# Altium PCB 400092.PcbDoc (part 3 of 3)
Units mil, origin at the board's own origin, x right, y up, seen from the top; angles counter-clockwise.
Board outline 4000 x 2500 mil, 4 copper layers (Top Layer, Mid-Layer 1, Mid-Layer 2, Bottom Layer), stack 62.293 mil thick; 191 components, 146 nets, 886 pads, 563 vias.
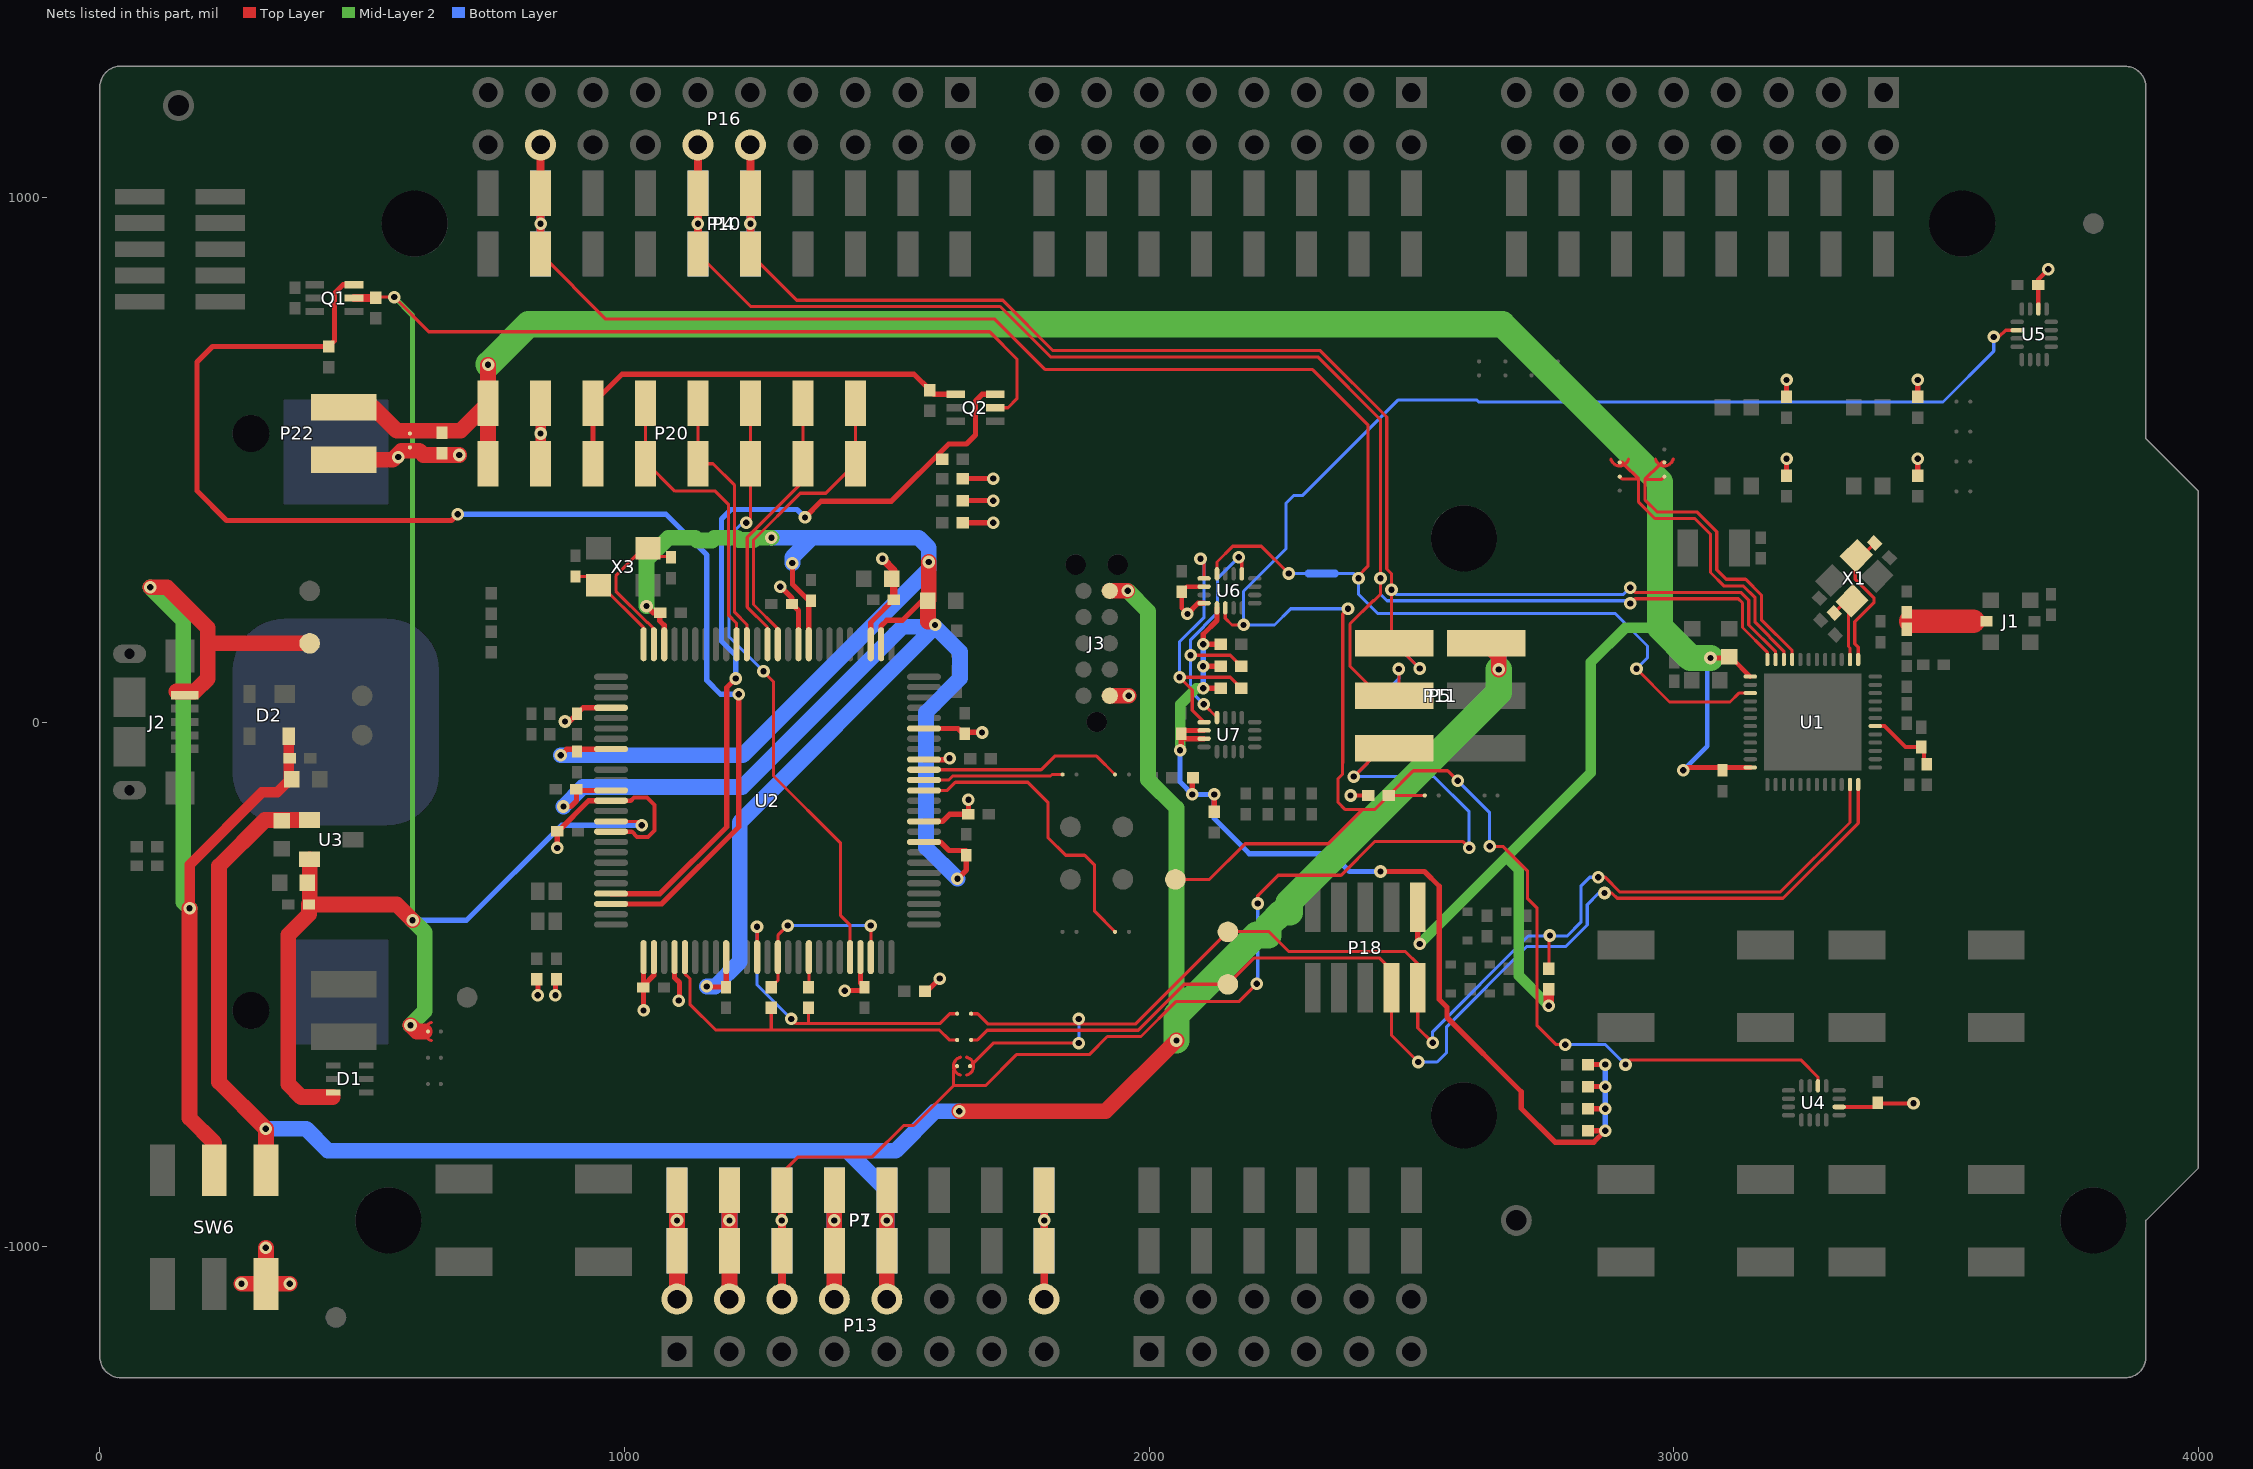
[diagram p5: the nets of this part, all layers, seen from the top]

## Via types
v1: diameter 24, hole 12, Top Layer to Bottom Layer, tented both sides, 525 vias
v2: diameter 24, hole 12, Top Layer to Bottom Layer, 22 vias
v3: diameter 25.98, hole 12.99, Top Layer to Bottom Layer, tented both sides, 16 vias

## Nets (pads, with @x,y where several pads share a name; then routed paths per layer and width w, separated by ;. In a path a pad name is that pad's centre, name@x,y a point inside that pad or via, vN(x,y) a via of type N, cw(c..) or ccw(c..) an arc to the next point about the centre after c; other vN are vias at no path point) (continued)
P0.28: P4.5 P5.1 P10.5 P11.1 P16.10 U1.47 | length 3090.1
  Top Layer w6: P4.5@1240,892.32 1328.32,804 1720.88,804 1816.88,708 2326.43,708 2453,581.43 2453,291.7 2462,282.7 v1(2462,252) P5.1@2462,155.5 ; P5.1@2467.5,150 2515.5,102 v1(2516,102) ; v1(2917,256) 2926,247 3127.97,247 3143,231.97 3143,185 3194.13,133.87 U1.47@3194.13,119.09 U1.47@3194.13,118.11
  Top Layer w15: P4.5@1240,892.32 v1(1240,950) P4.5@1240,1007.68 P16.10@1240,1100
  Bottom Layer w6: P11.1@2443.78,150 2468,150 v1(2516,102) ; v1(2462,252) 2471,243 2904,243 v1(2917,256)
  Bottom Layer w15: P10.5@1240,892.32 v1(1240,950) P10.5@1240,1007.68
P0.29: P4.6 P5.3 P10.6 P11.3 P16.12 U1.48 | length 3340.3
  Top Layer w6: P4.6@1140,892.32 1240.32,792 1715.91,792 1811.91,696 2321.46,696 2441,576.46 v1(2441,274) 2441,243.3 2428.7,231 2427,231 2383,187 2383,106 2439,50 P5.3@2467.5,50 2476,58.5 v1(2476,101) ; v1(2917,226) 2926,235 3123,235 3131,227 3131,180.03 3178.39,132.64 U1.48@3178.39,119.09 U1.48@3178.39,118.11
  Top Layer w15: P4.6@1140,892.32 v1(1140,950) P4.6@1140,1007.68 P16.12@1140,1100
  Bottom Layer w6: v1(2441,274) 2441,243.3 2453.3,231 2912,231 v1(2917,226) ; P11.3@2443.78,50 2476,82.22 v1(2476,101)
  Bottom Layer w15: P10.6@1140,892.32 v1(1140,950) P10.6@1140,1007.68
P0.30: P4.9 P10.9 P16.18 U1.3 U6.12 | length 3589.6
  Top Layer w6: P4.9@840,892.32 964.32,768 1705.97,768 1802.17,671.8 2311.72,671.8 2417,566.52 2417,296.67 2399,278.67 v1(2399,274) ; U6.12@2129.38,282.48 2129.38,305 2159.38,335 2214,335 v1(2266,283) ; v1(2929,101.25) 2992,38.25 3107.31,38.25 3124.18,55.12 U1.3@3145.91,55.12
  Top Layer w15: P4.9@840,892.32 v1(840,950) P4.9@840,1007.68 P16.18@840,1100
  Bottom Layer w6: v1(2266,283) 2304,283 ; 2354,283 2390,283 v1(2399,274) 2399,243.3 2435.3,207 2887.97,207 2950,144.97 2950,122.25 v1(2929,101.25)
  Bottom Layer w15: P10.9@840,892.32 v1(840,950) P10.9@840,1007.68 ; 2304,283 2354,283
PB5: Q2.3 R10.2 U2.97 | length 1554.5
  Top Layer w10: U2.97@974.38,-327.17 1067.83,-327.17 1195,-200 1195,66 v1(1212,83) v1@1216,87 ; v1(1344,390) 1375,421 1509,421 1618,530 1652,530 1669,547 1669,612 1681.59,624.59 Q2.3@1706.4,624.59
  Bottom Layer w10: v1(1212,83) 1212,127 1185,154 1185,387 1203,405 1329,405 v1(1344,390)
PB6: Q1.3 R11.2 U2.98 | length 2561
  Top Layer w10: R11.2@436,715.69 R11.2@436.31,716 ; Q1.3@484.4,833.59 463.59,833.59 447,817 447,726.69 R11.2@436.31,716 ; v1(682,396) 670,384 241.68,384 185,440.68 185,686 215,716 R11.2@436.31,716 ; U2.98@974.38,-346.85 1070.78,-346.85 1218,-199.63 v1(1218,53) ; v1@1221,53 v1@1221,55
  Bottom Layer w10: v1(682,396) 1079,396 1157,318 1157,79 1183,53 v1@1217,53
RESET: P1.3 P5.5 P7.3 P11.5 P13.6 SB17.1 | length 2563.1
  Top Layer w6: P1.3@1300,-892.32 1300,-860 1331,-829 1472,-829 1532,-769 1551,-769 1627,-693 ; SB17.1@1634,-656 1628.14,-661.86 1627,-663 1627,-693 ; v1(2205,-499) 2171,-533 2050.94,-533 1984.44,-599.5 1920.5,-599.5 1886,-634 1747,-634 1688,-693 1627,-693 ; v1(2207,-346) 2207,-331 2246,-292 2365.97,-292 2430.44,-227.53 2597.53,-227.53 v1(2610,-240) ; v1(2389.78,-104) 2443.78,-50 P5.5@2467.5,-50
  Top Layer w15: P13.6@1300,-1100 P1.3@1300,-1007.68 v1(1300,-950) P1.3@1300,-892.32
  Bottom Layer w6: v1(2205,-499) 2207,-497 v1(2207,-346) ; P11.5@2443.78,-50 v1(2389.78,-104) 2543,-104 2610,-171 v1(2610,-240)
  Bottom Layer w15: P7.3@1300,-1007.68 v1(1300,-950) P7.3@1300,-892.32
RF: C6.1 J1.1 L3.2 | length 119
  Top Layer w45: 3452,192 3571,192
RTS: SB24.1 U2.39 | length 579.4
  Top Layer w6: U2.39@1570.83,-130.32 1615.26,-130.32 1630.63,-114.95 1768.95,-114.95 1807,-153 1807,-220.03 1840.97,-254 1877,-254 1896,-273 1896,-361 SB24.1@1935,-400
RXD: SB23.1 U2.40 | length 268.6
  Top Layer w6: U2.40@1570.83,-110.63 1617.98,-110.63 1625.66,-102.95 1812.05,-102.95 1815,-100 SB23.1@1835,-100
SCL_EXT: R26.1 U6.9 U7.12 | length 503.8
  Top Layer w6: v1(2079,127.17) 2154.68,127.17 R26.1@2175.69,106.17 ; v1(2104,33.86) U7.12@2129.38,8.48 ; v1(2171,314) 2176.62,308.38 U6.9@2176.62,282.48
  Bottom Layer w6: v1(2104,33.86) 2103.79,33.86 2079,58.65 v1(2079,127.17) 2079,157 2130,208 2130,273 v1(2171,314)
SDA_EXT: R25.1 U6.13 U7.13 | length 509.7
  Top Layer w6: v1(2058,85.17) 2082.17,61 2082.17,22.22 U7.13@2104.77,-0.38 ; v1@2067.83,85.17 2154.68,85.17 R25.1@2175.69,64.17 ; v1(2098,311) 2104.77,304.23 U6.13@2104.77,273.62
  Bottom Layer w6: v1(2058,85.17) 2058,152.97 2104.77,199.74 2104.77,304.23 v1(2098,311)
SH_GND_DETECT: P20.8 U2.62 | length 587.5
  Top Layer w6: U2.62@1292.29,148.23 1292.29,177.71 1246,224 1246,347 1335,436 1383.68,436 P20.8@1440,492.32 P20.8@1440,607.68
SH_RESET: P20.7 U2.63 | length 519.3
  Top Layer w6: U2.63@1272.61,148.23 1272.61,180.42 1234,219.03 1234,352 1340,458 P20.7@1340,492.32 P20.7@1340,607.68
SH_SWDCLK: P20.5 U2.65 | length 514.9
  Top Layer w6: P20.5@1140,607.68 P20.5@1140,492.32 1168.68,492.32 1210,451 1210,209.09 1233.24,185.85 U2.65@1233.24,148.23
SH_SWDIO: P20.4 U2.66 | length 576.4
  Top Layer w6: P20.4@1040,607.68 1040,496 1096,440 1173,440 1198,415 1198,204.12 1213.55,188.57 U2.66@1213.55,148.23
SH_SWO: P20.6 U2.21 | length 1183.2
  Top Layer w6: v1(1232,380) 1240,388 P20.6@1240,492.32 P20.6@1240,607.68 P20.6@1246,601.68 ; v1(1265,97) 1265,96 1284,77 1284,-103.03 1412,-231.03 1412,-369 1430.09,-387.09 U2.21@1430.09,-448.23
  Bottom Layer w6: v1@1234,380 v1(1232,380) 1225,380 1199,354 1199,163 v1(1265,97)
SH_VTG: P20.3 Q2.4 R9.1 | length 961.1
  Top Layer w6: P20.3@940,492.32 P20.3@940,607.68
  Top Layer w10: P20.3@940,492.32 P20.3@940,607.68 995.32,663 1551.69,663 R9.1@1582,632.69 1590.09,624.59 Q2.4@1631.6,624.59
SHIELD_DETECT: R33.1 SB19.2 TP14.1 U4.2 U5.2 U6.2 | length 4351
  Top Layer w6: TP14.1@2050,-300 2115.12,-300 2183.12,-232 2341.12,-232 2406.12,-167 ; U6.2@2145.13,217.52 2145.13,197.87 2158,185 v1(2180,185) ; v1(2379,216) 2369,206 2369,-78 2368.78,-78.22 2368.78,-99.22 2360,-108 2360,-153 2374,-167 2406.12,-167 ; SB19.2@2525.4,-140 R33.1@2456.69,-140 ; v1(2588,-112) 2569,-93 2503.69,-93 R33.1@2456.69,-140 ; v1(2649,-237) 2674.37,-237 2721,-283.63 2721,-335.97 2739,-353.97 2739,-577.92 2776.08,-615 v1(2793,-615) ; v1(2908,-653) 2917,-644 3242.05,-644 3274.87,-676.82 U4.2@3274.87,-693.46 ; v1(3610,734) 3619.7,734 3632.57,746.87 U5.2@3654.52,746.87 ; 2406.12,-167 2429.69,-167 R33.1@2456.69,-140
  Bottom Layer w6: v1(2180,185) 2239,185 2270,216 v1(2379,216) ; v1@2180,194 2180,249 2261,330 2261,416.97 2276.03,432 2293.06,432 2475.06,614 2624,614 2628,610 3513.12,610 3610,706.88 v1(3610,734) ; v1(2588,-112) 2649,-173 v1(2649,-237) ; v1(2793,-615) 2870,-615 v1(2908,-653)
SWCLK: P18.4 SB21.2 TP10.1 U1.24 | length 2232.8
  Top Layer w6: SB21.2@1660.6,-606 1673,-606 1691.5,-587.5 1979.47,-587.5 2066.97,-500 TP10.1@2150,-500 2200.47,-449.53 2438.53,-449.53 2462,-473 P18.4@2462,-506.6 2462,-597 v1(2513,-648) ; v1(2868,-326) 2882.16,-326 2892.16,-336 3208.28,-336 3351.61,-192.66 U1.24@3351.61,-119.09
  Bottom Layer w6: v1(2513,-648) 2549,-648 2567,-630 2567,-580.79 2719.79,-428 2794,-428 2835,-387 2835,-348 2857,-326 v1(2868,-326)
SWDIO/NRF_RESET: P18.2 R40.1 SB17.2 SB20.2 TP9.1 U1.23 | length 2574.3
  Top Layer w6: SB17.2@1658.6,-656 1664.46,-650.14 1702.6,-612 v1(1866,-612) ; SB20.2@1660.6,-556 1673,-556 1692.5,-575.5 1974.5,-575.5 TP9.1@2150,-400 2151,-399 2227.6,-399 2266.13,-437.53 2488.53,-437.53 2512,-461 P18.2@2512,-506.6 2512,-583.18 v1(2540.41,-611.59) ; R40.1@2762,-470.31 2762,-409 v1(2764,-407) ; v1(2856,-296) 2869.13,-296 2897.13,-324 3203.31,-324 3335.87,-191.44 U1.23@3335.87,-119.09
  Bottom Layer w6: v1(1866,-612) v1(1866,-566) ; v1(2540.41,-611.59) 2540.41,-590.41 2722.82,-408 2797.03,-408 2823,-382.03 2823,-312.94 2839.94,-296 v1(2856,-296)
TCKIN: R16.2 SB21.1 U2.5 | length 673.6
  Top Layer w6: U2.5@1115.13,-448.23 1115.13,-479.52 1124.61,-489 1124.61,-538 1173.61,-587 1279.61,-587 ; R16.2@1279.61,-544.69 1279.61,-587 ; SB21.1@1634,-606 1619,-606 1600,-587 1279.61,-587
TCKOUT: R16.1 U2.14 U2.23 | length 349.2
  Top Layer w6: R16.1@1279.61,-505.32 1292.29,-492.63 U2.14@1292.29,-448.23 1292.29,-406.71 v1(1311,-388) ; U2.23@1469.46,-448.23 1469.61,-448.08 v1(1469.61,-388)
  Bottom Layer w6: v1(1311,-388) v1(1469.61,-388)
TMSIN: R15.2 SB20.1 U2.12 | length 617.9
  Top Layer w6: v1(1252.61,-390) 1252.92,-390.32 U2.12@1252.92,-448.23 ; v1(1317.61,-566) 1326.61,-575 1511,-575 1601,-575 1620,-556 SB20.1@1634,-556 ; 1350.61,-573.27 R15.2@1350.61,-544.69
  Bottom Layer w6: v1(1252.61,-390) 1252.61,-501 v1(1317.61,-566)
TMSOUT: R15.1 U2.17 | length 56.3
  Top Layer w6: R15.1@1351.35,-504.58 U2.17@1351.35,-448.23
TXD: SB25.1 U2.41 | length 389.4
  Top Layer w6: U2.41@1570.83,-90.95 1794.05,-90.95 1820,-65 1900,-65 SB25.1@1935,-100
USB_DETECT: C17.2 C18.2 D1.6 Q1.2 Q2.2 R7.1 SB10.2 U2.90 U3.2 | length 4216.2
  Top Layer w6: R7.1@526,808.69 527.32,810 v1(561,810) 627,744 1696.03,744 1748,692.03 1748,616 1731,599 Q2.2@1706.4,599 ; U2.90@974.38,-189.37 1025.37,-189.37 v1(1033,-197)
  Top Layer w15: Q1.2@484.4,808 R7.1@525.32,808
  Top Layer w30: U3.2@400,-261.8 400,-346.68 C18.2@398.68,-348 ; 444,-715 384,-715 359,-690 359,-406 398.68,-366.32 C18.2@398.68,-348 ; v1(592,-578) 604,-590 619,-590 ; v1(596,-378) 566,-348 C18.2@398.68,-348
  Mid-Layer 2 w10: v1(561,810) 596,775 v1(596,-378)
  Mid-Layer 2 w30: v1(592,-578) 619,-551 619,-401 v1(596,-378)
  Bottom Layer w10: v1(596,-378) 699,-378 880,-197 v1(1033,-197)
V5V: C16.2 J3.5 P1.5 P5.2 P7.5 P11.2 P13.10 SW6.6 U3.1 | length 5073.2
  Top Layer w30: SW6.6@316.43,-854.73 v1(316.43,-775.43) 227,-686 227,-274.43 314.43,-187 U3.1@400,-187 ; P13.10@1500,-1100 P1.5@1500,-1007.68 v1(1500,-950) P1.5@1500,-892.32 ; v1(1638,-742) 1917,-742 v1(2052,-607) ; J3.5@1925,250 v1@1958,250 ; P5.2@2642.5,150 2666.22,126.28 v1(2666.22,100.22)
  Mid-Layer 2 w30: v1(1959,250) 1998,211 1998,-110 2052,-164 2052,-558
  Mid-Layer 2 w50: v1(2052,-607) 2052,-558 2205.09,-404.91 2207.19,-407 2227,-407 2227,-388.19 2252.19,-363 2268,-363 2268,-346.19 2265.91,-344.09 2666.22,56.22 v1(2666.22,100.22)
  Bottom Layer w30: v1(316.43,-775.43) 393.43,-775.43 435,-817 1424.68,-817 ; P7.5@1500,-1007.68 v1(1500,-950) P7.5@1500,-892.32 1424.68,-817 ; v1(1638,-742) 1592,-742 1517,-817 1424.68,-817 ; v1(2666.22,100.22) P11.2@2666.22,150
VBUS: C20.2 C21.2 D2.4 J2.1 SW6.5 TP3.1 | length 2087.9
  Top Layer w20: v1(171,-355) 171,-272 309,-134 338,-134 360.01,-111.99 D2.4@360.01,-27.35
  Top Layer w30: v1(96,257) 128,257 205.61,179.39 205.61,150 ; J2.1@146,58 181,58 205.61,82.61 205.61,150 ; v1(171,-355) 171,-755 218,-802 SW6.5@218,-854.73 ; TP3.1@400,150 205.61,150
  Mid-Layer 2 w30: v1(96,257) 159,194 159,-343 v1(171,-355)
VCORE: C25.2 C27.2 C31.2 C34.2 C36.1 C39.2 C40.2 U2.9 U2.34 U2.52 U2.59 U2.73 U2.83 U2.87 | length 4862.3
  Top Layer w10: v1(878.61,-63.47) 890.08,-52 U2.83@973.95,-52 ; v1(883.61,-161) 897.71,-161 908.29,-150.42 C40.2@908.29,-128 ; C40.2@914.96,-130.32 U2.87@974.38,-130.32 ; v1(1042,221) 1055,208 C36.1@1066.96,208 ; C36.1@1067.92,208 C36.1@1066.96,208 ; U2.73@1075.76,148.23 1075.76,184.24 1066.96,193.04 C36.1@1066.96,208 ; v1(1157,-504) 1158.31,-505.32 C25.2@1193.61,-505.32 ; C25.2@1193.87,-504.33 U2.9@1193.87,-448.23 ; v1(1320,303) 1320,262.64 1340,242.64 C34.2@1353.46,229.17 ; U2.59@1351.35,148.23 1351.35,227.05 C34.2@1353.46,229.17 ; C34.2@1355.61,231.31 C34.2@1353.46,229.17 ; U2.52@1489.14,148.23 1489.14,183.11 1500.03,194 1530,194 1567,231 C31.2@1578.42,231 ; U2.34@1570.83,-228.74 1602.35,-228.74 1618.61,-245 C27.2@1649.94,-245 ; v1(1634.61,-299) 1651.61,-282 C27.2@1651.61,-253.69 ; C27.2@1650.92,-251.32 C27.2@1650.92,-245
  Top Layer w30: 1578.42,191.42 C31.2@1578.42,231 1580,232.58 v1(1580,305)
  Mid-Layer 2 w30: v1(1042,221) 1042,309 1084,351 1134.33,351 1139.33,346 1166.67,346 1171.67,351 1214.33,351 1218.33,347 1245.67,347 1249.67,351 v1(1280,351)
  Bottom Layer w30: v1(878.61,-63.47) 1225.53,-63.47 1580,291 v1(1580,305) 1580,332 1561,351 1357,351 ; v1(883.61,-161) 920.61,-124 1224.61,-124 1530,181.39 v1@1592,181.39 ; v1(1157,-504) 1172.61,-504 1219.61,-457 1219.61,-191 v1@1592,181.39 ; v1(1280,351) 1357,351 ; v1(1320,303) 1320,314 1357,351 ; v1(1634.61,-299) 1574.61,-239 1574.61,18.16 1639.61,83.16 1639.61,133.79 v1@1592,181.39
  other v1: 1592,185
VDD: C24.2 C26.2 C28.2 C29.2 C32.2 C33.2 C35.2 C38.2 C41.2 C42.2 C43.2 C44.2 J3.1 P1.1 P1.2 P1.4 P7.1 P7.2 P7.4 P13.2 P13.4 P13.8 P20.2 P22.2 R1.2 R2.2 R3.2 R4.2 R5.2 R6.1 R19.2 R20.2 R21.2 R22.2 R23.2 R33.2 SB9.2 SW6.3 U2.1 U2.2 U2.4 U2.22 U2.36 U2.42 U2.45 U2.53 U2.60 U2.79 U2.88 U2.91 U4.14 U5.14 U6.14 U6.16 | length 3816.4
  Top Layer w6: P20.2@840,479 P20.2@840,492.32 ; U2.88@974.38,-150 U2.88@981,-150
  Top Layer w8: U2.91@974.38,-209.06 1013.94,-209.06 1023.89,-219 1045,-219 1057,-207 1057,-158 1043,-144 1018,-144 1012,-150 U2.88@981,-150 ; v1(2073,206) 2062,217 C44.2@2062,248.31 2071.56,257.87 U6.14@2104.77,257.87 ; v1(2384,-140) R33.2@2417.31,-140 ; U4.14@3315.23,-733.82 3380.81,-733.82 3387.68,-726.94 v1(3457,-726.94) ; C43.2@3694.69,833 3694.69,843.69 v1(3714,863) ; U5.14@3694.87,787.23 3694.87,832.81 C43.2@3695.06,833
  Top Layer w10: v1@834.87,-520 R20.2@834.87,-490.69 ; v1@868.34,-521 R19.2@868.34,-490.69 ; v1@871.92,-240 C41.2@871.92,-208 ; C41.2@874.92,-206.69 931.61,-150 U2.88@974.38,-150 ; v1@885.61,1 v1(886.61,1) 894.92,1 C38.2@909.61,15.68 ; C38.2@909.92,16 921.09,27.16 U2.79@974.38,27.16 ; v1(1036.39,-549.78) U2.1@1036.39,-448.23 ; C24.2@1036.61,-502 1056.07,-482.54 U2.2@1056.07,-448.23 ; U2.4@1095.44,-448.23 1095.44,-487.39 1104.61,-496.55 v1@1104.61,-531 ; v1(1297,258) 1297.61,258 1319.29,236.31 C35.2@1319.29,225 1331.66,212.63 U2.60@1331.66,148.23 ; v1(1420,-512) 1450.92,-512 C26.2@1457.61,-505.32 1449.77,-497.48 U2.22@1449.77,-448.23 ; U2.53@1469.46,148.23 1469.46,189.85 1479.8,200.2 1509.18,229.57 C32.2@1509.18,233 ; U2.36@1570.83,-189.37 1606.24,-189.37 1619.61,-176 C28.2@1654.92,-176 1655.61,-175.32 v1(1655.61,-148) ; U2.42@1570.83,-71.26 1571.57,-72 v1@1619.61,-72 ; U2.45@1570.83,-12.21 1635.81,-12.21 1643.29,-19.69 v1@1686.29,-19.69 ; R5.2@1572.69,-513 1577,-513 v1(1601,-489) ; R21.2@1644.68,380 v1(1702.68,380) ; R22.2@1644.68,422 v1(1702.68,422) ; R23.2@1644.68,464 v1(1702.68,464) ; v1(2073,206) 2093.38,226.38 U6.16@2104.77,226.38 ; R3.2@3215,469.68 v1(3215,502) ; R1.2@3215,619.68 v1(3215,652) ; R4.2@3465,469.68 v1(3465,502) ; R2.2@3465,619.68 v1(3465,652)
  Top Layer w15: v1(1400,-950) P1.4@1400,-892.32 ; v1(1491.61,311) 1513.29,289.31 C32.2@1513.29,233
  Top Layer w20: P20.2@840,492.32 P20.2@840,607.68
  Top Layer w30: v1(270,-1070.54) v1(362,-1070.54) ; SW6.3@316.42,-1073.25 v1(316.42,-1001.98) ; P22.2@465,500 558,500 575,517 609,517 617,509 v1(685,509) ; P13.2@1100,-1100 P1.1@1100,-1007.68 P1.1@1100,-892.32 ; P13.4@1200,-1100 v1(1200,-950) P1.2@1200,-892.32 ; P13.8@1400,-1100 P1.4@1400,-892.32 ; J3.1@1925,50 v1(1961,50)
  Bottom Layer w30: P7.1@1100,-1007.68 P7.1@1100,-892.32 ; P7.2@1200,-1007.68 P7.2@1200,-892.32 ; P7.4@1400,-1007.68 P7.4@1400,-892.32
  other v1: 1100,-950 1103.61,-531 834.87,-520.69 868.34,-520.69 871.61,-240 1619.61,-69 1681.61,-20 569,505 840,550
VDD_NRF: C7.1 C11.1 P18.1 P20.1 P22.1 R6.2 R40.2 SB9.1 U1.1 U1.12 | length 4998.4
  Top Layer w9: v1(3018,-92) 3023.39,-86.61 U1.12@3145.91,-86.61 U1.12@3146.89,-86.61 ; v1(3070,122) 3110.52,122 U1.1@3145.91,86.61
  Top Layer w10: P18.1@2512,-353.06 2512,-419 v1(2516,-423)
  Top Layer w20: v1(2762,-541) R40.2@2762,-509.68
  Top Layer w30: P22.1@465,600 521,600 566,555 687.32,555 P20.1@740,607.68 ; P20.1@740,492.32 P20.1@740,607.68 ; v1(740,681) P20.1@740,607.68
  Mid-Layer 2 w20: v1(2516,-423) 2681,-258 ; v1(2762,-541) 2705,-484 2705,-282 2681,-258 ; 2974,180 2908,180 2842,114 2842,-97 2681,-258
  Mid-Layer 2 w50: v1@741,682 817,758 2673,758 2974,457 2974,180 3032,122 v1(3070,122)
  Bottom Layer w9: v1(3018,-92) 3064,-46 3064,116 v1(3070,122)
VDD_PA: C3.1 L2.1 U1.30 | length 140.1
  Top Layer w8: U1.30@3383.11,-7.87 3401.8,-7.87 3441.63,-47.7 L2.1@3472,-47.7 3477,-52.7 C3.1@3477,-80.31
VEXT: C45.2 R25.2 R26.2 R27.2 R28.2 R29.2 R30.2 R31.2 R32.2 R34.2 U6.1 U7.14 U7.15 | length 2205.4
  Top Layer w10: v1(2059,-54) 2061,-52 C45.2@2061,-22.69 ; v1(2082,-138) 2082,-107.69 R34.2@2083.69,-106 ; v1(2102.86,106.17) R26.2@2136,106.17 ; v1(2103.17,64.17) R25.2@2136,64.17 ; U7.15@2104.77,-31.87 2070.19,-31.87 C45.2@2061,-22.69 ; U7.14@2104.77,-16.13 2067.56,-16.13 C45.2@2061,-22.69 ; R28.2@2124,-170.83 v1(2124,-138) ; U6.1@2129.38,217.52 2129.38,193.38 2103.17,167.17 v1(2103.17,148.17) R27.2@2136,148.17 ; v1(2441,-285) 2525,-285 2553,-313 2553,-528.83 2567.79,-543.62 2567.79,-563.04 2709.42,-704.67 2709.42,-736.42 2773.83,-800.83 2847.47,-800.83 v1(2869.3,-779) R32.2@2836.47,-779 ; R31.2@2836.47,-737 v1(2869.3,-737) ; R30.2@2836.47,-695 v1(2869.62,-695) ; R29.2@2836.47,-653 v1(2869.3,-653)
  Mid-Layer 2 w20: v1(2059,-54) 2059,33.39 2089.78,64.17 v1(2103.17,64.17)
  Bottom Layer w10: v1(2059,-54) 2059,-114 2083,-138 v1(2124,-138) 2124,-184 2191,-251 2348,-251 2382,-285 v1(2441,-285) ; v1@2103.17,62.66 v1(2103.17,64.17) v1(2103.17,148.17) ; v1(2869.3,-779) v1(2869.3,-737) v1(2869.3,-653)
VIN: P1.8 P7.8 P13.16 | length 323
  Top Layer w15: P13.16@1800,-1100 P1.8@1800,-1007.68 v1(1800,-950) P1.8@1800,-892.32
  Bottom Layer w15: P7.8@1800,-1007.68 v1(1800,-950) P7.8@1800,-892.32
XC1: C1.1 U1.37 X1.1 | length 270.1
  Top Layer w6: U1.37@3351.61,119.09 3351.61,142.36 3345.12,148.85 3345.12,191.12 3382,228 3382,236 3346,272 3346,303.84 C1.1@3383.08,340.92
XC2: C2.1 U1.38 X1.3 | length 157.4
  Top Layer w6: C2.1@3305.92,208.08 3326.84,229 3335.87,229 X1.3@3335.87,226.89 ; U1.38@3335.87,118.11 U1.38@3335.87,119.09 3335.87,141.13 3333.12,143.88 3333.12,224.14 X1.3@3335.87,226.89 ; X1.3@3339.82,230.85 X1.3@3335.87,226.89
XIN: C22.1 U2.75 X3.3 | length 201.7
  Top Layer w6: C22.1@906.61,277.31 934.34,277.31 X3.3@950.6,261.06 ; X3.3@950.6,260.94 955.28,260.94 1036.39,179.84 U2.75@1036.39,148.23
XL1: SB2.2 SB4.1 U1.46 | length 613
  Top Layer w6: SB2.2@2897,467.6 2901.09,463.51 2933,463.51 ; SB4.1@2897,495 2901.51,495 2905.93,490.58 2933,463.51 ; U1.46@3209.88,118.11 3209.88,135.09 3155,189.97 3155,236.94 3132.94,259 3096.03,259 3070,285.03 3070,358 3040,388 2964.03,388 2933,419.03 2933,463.51
XL2: SB1.2 SB3.1 U1.45 | length 616.4
  Top Layer w6: SB1.2@2982,467.6 2976.91,462.51 2945,462.51 ; SB3.1@2982,495 2977.49,495 2973.07,490.58 2945,462.51 ; U1.45@3225.63,118.11 3225.63,136.31 3167,194.94 3167,242 3137,272 3100,272 3082,290 3082,362.97 3044.97,400 2969,400 2945,424 2945,462.51
XOUT: C23.1 U2.74 X3.1 | length 294
  Top Layer w6: U2.74@1056.07,148.23 1056.07,177.93 1050,184 1044.29,189.71 1043.48,189.71 983.61,249.59 983.61,278.61 1036.06,331.06 X3.1@1044.61,331.06 1059.99,315.68 C23.1@1088.61,315.68
pads on no net: Bat1.2@449.91,0 Fid1.0 Fid2.0 J2.4 J2.6@56.53,129.92 J2.6@56.53,-129.92 J3.0 J3.7 J3.9 P18.6 P18.7 P18.8 P18.10 P19.7 P19.8 P21.0 P22.0 SW6.1 SW6.4 U2.6 U2.8 U2.10 U2.11 U2.13 U2.15 U2.16 U2.19 U2.20 U2.25 U2.26 U2.27 U2.28 U2.29 U2.30 U2.31 U2.32 U2.33 U2.37 U2.44 U2.48 U2.49 U2.50 U2.58 U2.64 U2.69 U2.86 U2.93 U2.94 U2.95 U2.96 U2.99 U2.100 U4.10 U5.10 U6.3 U6.7 U6.10 U6.11 U6.15

## Polygon pours and split planes (outlines as drawn)
GND on Top Layer "Top_Layer-GND" (solid, remove dead copper, pour order 8): -140.68,-1343.3 -140.68,1377.41 -132.15,1393.23 4042.07,1393.23 4052.73,1413 4052.73,-1335.39 4057,-1343.3
GND on Mid-Layer 1 "Mid_Layer_1-GND" (solid, remove dead copper, pour order 7): -138.74,-1346.53 -138.74,1329.99 -129.94,1345.55 4177.59,1345.55 4188.6,1365 4188.6,-1338.75 4193,-1346.53
GND on Bottom Layer "Bottom_Layer-GND" (solid, remove dead copper, pour order 6): -410.29,-1353.14 -410.29,1437.49 -400.99,1453.72 4149.72,1453.72 4161.35,1474 4161.35,-1345.03 4166,-1353.14
VDD on Mid-Layer 2 "Mid_Layer_2-VDD" (solid, remove dead copper, pour order 10): -104.87,-1391.63 -104.87,1369.88 -96.26,1385.93 4116.93,1385.93 4127.69,1406 4127.69,-1383.6 4132,-1391.63

## Keep-outs
Keep-Out Layer:
  circle w6: c550,-950 r94.49
  circle w6: c3800,-950 r94.49
  circle w6: c3550,950 r94.49
  circle w6: c2600,350 r94.49
  circle w6: c600,950 r94.49
  circle w6: c2600,-750 r94.49
  lines w10: 3861,-1250 ccw(c3860.5,-1210.5) 3900,-1210 3900,-950 4000,-850 4000,440 3900,540 3900,1210 ccw(c3860,1210) 3860,1250 40,1250 ccw(c39.5,1210.5) 0,1211 0,-1210 ccw(c40,-1210) 40,-1250 3862,-1250
Mechanical 3:
  lines w1: 190,-41 411.61,-41 428.78,-58.17 527.44,-58.17 ccw(c527.44,-14.72) 558.16,-45.44 703.61,100 cw(c741.44,62.17) 741.44,115.67 764.61,115.67 ; 190,83.96 292.5,83.96 ; 390,83.96 467.04,83.96 ccw(c467.04,106.96) 483.3,90.7 634.85,242.25 cw(c686.61,190.5) 686.61,263.69 ; 686.61,264 927.61,264 cw(c927.61,215.72) 961.75,249.86 1059.68,151.93 ; 764.11,115.67 cw(c764.11,67.39) 798.25,101.53 896.18,3.6 ; 997.8,2.54 ccw(c997.8,90.04) 1059.67,151.92

## Other copper
Top Layer:
  rectangle net ANT: 3937,-518 3987,-488
  pour cut-out: -9.02,-125 97.11,-125 96.89,139 -8.99,139
  pour cut-out: 342,-519 430,-519 430,-689 342,-689
  pour cut-out: 372,69 460,69 460,2 372,2
  pour cut-out: -21,-124 67,-124 67,-294 -21,-294
  pour cut-out: 3508,-107 3406,-107 3406,150 3508,150
  pour cut-out: 3363.02,-100 3167,-100 3167,98 3362.97,98
  pour cut-out: 3318.58,181.42 3291.97,154.82 3270.05,176.74 3296.66,203.35
  pour cut-out: 3464,123 3390,123 3390,186 3464,186
  pour cut-out: 3739.97,-1300 4010.28,-1300 4008.77,538 3740.14,538
Mid-Layer 1:
  pour cut-out: 3745,127 3421,127 3421,257 3745,257
  pour cut-out: 3508,-107 3406,-107 3406,213.6 3508,213.6
  pour cut-out: 3739.97,-1300 4010.28,-1300 4008.77,538 3740.14,538
Mid-Layer 2:
  pour cut-out: 3745,127 3421,127 3421,257 3745,257
  pour cut-out: 3508,-107 3406,-107 3406,213.6 3508,213.6
  pour cut-out: 3739.97,-1300 4010.28,-1300 4008.77,538 3740.14,538
Bottom Layer:
  pour cut-out: 3739.97,-1300 4010.28,-1300 4008.77,538 3740.14,538

## Silkscreen, mask and mechanical layers (free items; w line width, h text height)
Top Overlay:
  circle w15: c1710,875 r7.07
  circle w15: c2570,875 r7.07
  circle w15: c3470,875 r7.07
  circle w15: c1030,-875 r7.07
  circle w15: c1930,-875 r7.07
  region: 1992.14,617.25 1992.14,560.31 2013.49,588.78
  lines w6: 2960.97,-256 3545.05,-256 3545.05,390 2960.97,390 2960.97,-256
  lines w8: 1980,521.4 ccw(c1988,521.4) 1988,513.4 2280,513.4 ccw(c2280,521.4) 2288,521.4 ; 1980,521.49 1980,655.7 ; 1980,656.4 cw(c1988,656.4) 1988,664.4 2280,664.4 cw(c2280,656.4) 2288,656.4 ; 2288,521.49 2288,655.7
  lines w10: 420,1150 3730,1150 ; 560,1200 670,1200 ; 660,1200 640,1210 640,1190 670,1200 ; 780,-1150 2830,-1150 ; 920,-1200 1030,-1200 ; 1020,-1200 1000,-1190 1000,-1210 1030,-1200 ; 2580,-1200 2600,-1210 2600,-1190 2570,-1200 ; 2680,-1200 2570,-1200 ; 3480,1200 3500,1190 3500,1210 3470,1200 ; 3580,1200 3470,1200 ; 670,1200 640,1180 640,1220 670,1200 ; 1030,-1200 1000,-1220 1000,-1180 1030,-1200 ; 2570,-1200 2600,-1220 2600,-1180 2570,-1200 ; 3470,1200 3500,1220 3500,1180 3470,1200
  lines w11: 1997.68,641.23 2037.18,588.56 1997.88,536.16 ; 2026.03,536.25 2058.84,578.9 2269.1,578.9 ; 2026.34,641.16 2058.85,598.9 2269.1,598.9
  text "GND" at 420,1180 h70
  text "GND" at 3610,1180 h70
  text "GND" at 97,1080 h70
  text "0202RUBR" at 3877,716 h27 r90
  text "P0.07" at 760,714 h70 r90
  text "P0.30" at 860,714 h70 r90
  text "P0.00" at 960,714 h70 r90
  text "GND" at 1060,714 h70 r90
  text "P0.29" at 1160,714 h70 r90
  text "P0.28" at 1260,714 h70 r90
  text "P0.25" at 1360,714 h70 r90
  text "P0.24" at 1460,714 h70 r90
  text "P0.23" at 1560,714 h70 r90
  text "P0.20" at 1660,714 h70 r90
  text "P0.19" at 1820,714 h70 r90
  text "P0.18" at 1920,714 h70 r90
  text "P0.17" at 2020,714 h70 r90
  text "P0.16" at 2120,714 h70 r90
  text "P0.15" at 2220,714 h70 r90
  text "P0.14" at 2320,714 h70 r90
  text "P0.13" at 2420,714 h70 r90
  text "P0.11" at 2720,714 h70 r90
  text "P0.10" at 2820,714 h70 r90
  text "P0.09" at 2920,714 h70 r90
  text "P0.08" at 3020,714 h70 r90
  text "P0.27" at 3120,714 h70 r90
  text "P0.26" at 3220,714 h70 r90
  text "P0.22" at 3320,714 h70 r90
  text "P0.21" at 3420,714 h70 r90
  text "400092" at 3834,714 h80 r90
  text "Debug out" at 16,709 h80
  text "S" at 2064.1,530 h53
  text "E" at 2099.13,530 h53
  text "G" at 2130,530 h53
  text "G" at 2169,530 h53
  text "E" at 2209.3,530 h53
  text "R" at 2242.2,530 h53
  text "GPIO" at 2738,485 h70
  text "TM" at 2055.7,473.4 h37
  text "J-Link" at 1919.1,456.8 h57
  text "Technology" at 2106.2,456.8 h57
  text "XTAL" at 2734,428 h70
  text "www.segger.com" at 1922.3,411.5 h66
  text "nRF current" at 143,389 h80
  text "VTG" at 957,366.98 h55 r90
  text "VDD" at 857,364.46 h55 r90
  text "SWO" at 1257,354.53 h55 r90
  text "SWD / IO" at 1082.65,353.02 h55 r90
  text "SWD / CLK" at 1182.65,353.02 h55 r90
  text "(ARDUINO D0) P0.12" at 2520,353.88 h70 r90
  text "VnRF" at 752.99,344.59 h55 r90
  text "measurement" at 124,338 h80
  text "RESET" at 1357,317.98 h55 r90
  text "GND / DETECT" at 1505,304.57 h55 r90
  text "P0.28" at 2257.25,129.25 h70
  text "5V" at 2731.7,129.25 h70
  text "P0.29" at 2257.37,29.25 h70
  text "P0.25" at 2731.7,29.25 h70
  text "RESET" at 2220,-70.75 h70
  text "DETECT" at 2731.7,-70.75 h70
  text "NORDIC" at 3844.08,-279.33 h150 r90
  text "SEMICONDUCTOR" at 3902.77,-282.72 h65 r90
  text "Button 1" at 2916,-365.94 h90
  text "Button 2" at 3356,-365.94 h90
  text "External supply" at 91,-435 h80
  text "www.nordicsemi.com" at 3982,-475 h83 r90
  text "-" at 542,-531 h70
  text "Debug in" at 2291,-619.6 h80
  text "+" at 542,-631 h70
  text "IF BOOT/RESET" at 601,-807 h80
  text "Button 3" at 2916,-812.94 h90
  text "Button 4" at 3356,-812.94 h90
  text "VDD" at 1116.75,-838.13 h70 r90
  text "VDD" at 1216.75,-838.13 h70 r90
  text "RESET" at 1316.75,-838.13 h70 r90
  text "VDD" at 1416.75,-838.13 h70 r90
  text "5V" at 1516.75,-838.13 h70 r90
  text "GND" at 1616.75,-838.13 h70 r90
  text "GND" at 1716.75,-838.13 h70 r90
  text "N.C." at 1816.75,-838.13 h70 r90
  text "P0.01" at 2016.75,-838.13 h70 r90
  text "P0.02" at 2116.75,-838.13 h70 r90
  text "P0.03" at 2216.75,-838.13 h70 r90
  text "P0.04" at 2316.75,-838.13 h70 r90
  text "P0.05" at 2416.75,-838.13 h70 r90
  text "P0.06" at 2516.75,-838.13 h70 r90
  text "GND" at 2647,-1045 h70
  text "OFF" at 115,-1176 h70
  text "ON" at 250,-1176 h70
  text "GND" at 780,-1220 h70
  text "GND" at 2710,-1220 h70
  text "Power" at 132,-1230 h80
Bottom Overlay:
  drawing of 11622 lines, arcs and shapes, not listed
  text "Pb" at 161.4,965.6 h120 r90
  text "P0.07 (SCL)" at 760,841 h70 r90
  text "P0.30 (SDA)" at 860,841 h70 r90
  text "P0.00 (AREF)" at 960,841 h70 r90
  text "GND" at 1060,841 h70 r90
  text "P0.29 (13)" at 1160,841 h70 r90
  text "P0.28 (12)" at 1260,841 h70 r90
  text "P0.25 (11)" at 1360,841 h70 r90
  text "P0.24 (10)" at 1460,841 h70 r90
  text "P0.23 (9)" at 1560,841 h70 r90
  text "P0.20 (8)" at 1660,841 h70 r90
  text "P0.19 (7)" at 1820,841 h70 r90
  text "P0.18 (6)" at 1920,841 h70 r90
  text "P0.17 (5)" at 2020,841 h70 r90
  text "P0.16 (4)" at 2120,841 h70 r90
  text "P0.15 (3)" at 2220,841 h70 r90
  text "P0.14 (2)" at 2320,841 h70 r90
  text "P0.13 (1)" at 2420,841 h70 r90
  text "P0.12 (ARDUINO D0)" at 2520,841 h70 r90
  text "P0.11" at 2720,841 h70 r90
  text "P0.10" at 2820,841 h70 r90
  text "P0.09" at 2920,841 h70 r90
  text "P0.08" at 3020,841 h70 r90
  text "P0.27" at 3120,841 h70 r90
  text "P0.26" at 3220,841 h70 r90
  text "P0.22" at 3320,841 h70 r90
  text "P0.21" at 3419,839.68 h70 r90
  text "SWDIO/nRESET" at 2283,561 h75 r90
  text "GPIO" at 1083,555.87 h78.5 r90
  text "GPIO" at 2851,555.87 h78.5 r90
  text "P0.08" at 1181,551 h75 r90
  text "P0.09" at 1287,551 h75 r90
  text "P0.10" at 1393,551 h75 r90
  text "P0.11" at 1499,551 h75 r90
  text "P0.26" at 1658,551 h75 r90
  text "P0.27" at 1870,551 h75 r90
  text "P0.17" at 2949,551 h75 r90
  text "P0.18" at 3055,551 h75 r90
  text "P0.19" at 3161,551 h75 r90
  text "P0.20" at 3267,551 h75 r90
  text "P0.21" at 3373,551 h75 r90
  text "P0.22" at 3479,551 h75 r90
  text "P0.23" at 3585,551 h75 r90
  text "P0.24" at 3691,551 h75 r90
  text "nRF Pin" at 2183,435.87 h78.5 r90
  text "Function" at 1083,340.51 h78.5 r90
  text "Function" at 2851,340.51 h78.5 r90
  text "Button 1" at 2949,328 h75 r90
  text "Button 2" at 3055,328 h75 r90
  text "Button 3" at 3161,328 h75 r90
  text "Button 4" at 3267,328 h75 r90
  text "LED 1" at 3373,283 h75 r90
  text "LED 2" at 3479,283 h75 r90
  text "LED 3" at 3585,283 h75 r90
  text "LED 4" at 3691,283 h75 r90
  text "RTS" at 1181,268 h75 r90
  text "TXD" at 1287,268 h75 r90
  text "CTS" at 1393,268 h75 r90
  text "RXD" at 1499,268 h75 r90
  text "XL2" at 1658,268 h75 r90
  text "XL1" at 1870,268 h75 r90
  text "SB13/22" at 1181,25 h75 r90
  text "SB14/23" at 1287,25 h75 r90
  text "SB15/24" at 1393,25 h75 r90
  text "SB16/25" at 1499,25 h75 r90
  text "SB17" at 2283,15 h75 r90
  text "SB1" at 1605,5 h75 r90
  text "SB3" at 1711,5 h75 r90
  text "SB2" at 1817,5 h75 r90
  text "SB4" at 1923,5 h75 r90
  text "SB5" at 3373,5 h75 r90
  text "SB6" at 3479,5 h75 r90
  text "SB7" at 3585,5 h75 r90
  text "SB8" at 3691,5 h75 r90
  text "Short" at 1083,-16.81 h78.5 r90
  text "Short" at 2183,-16.81 h78.5 r90
  text "Short" at 2851,-16.81 h78.5 r90
  text "GPIO" at 1474.72,-262 h70 r90
  text "GPIO" at 1828.72,-262 h70 r90
  text "nRF" at 2258.72,-262 h70 r90
  text "*" at 3029.45,-262 h100 r90
  text "*" at 3647.45,-262 h100 r90
  text "IF MCU" at 1188,-285.5 h70 r90
  text "HW" at 1083,-356.81 h78.5 r90
  text "HW" at 2183,-356.81 h78.5 r90
  text "HW" at 2851,-356.81 h78.5 r90
  text "SB1x" at 1383,-386 h50 r90
  text "SB2x" at 1317,-395 h50 r90
  text "VDD" at 3407,-451 h70 r90
  text "PIN" at 1474.72,-481 h70 r90
  text "PIN" at 1651.22,-481 h70 r90
  text "PIN" at 2261.22,-481 h70 r90
  text "I/O EXPANDER" at 2851,-596.81 h78.5 r90
  text "mbed.org" at 589.12,-599.86 h70 r90
  text "(" at 2990,-600 h120 r90
  text "PIN" at 3386,-599.75 h70 r90
  text "P0.01 (A0)" at 2016.75,-604.32 h70 r90
  text "P0.02 (A1)" at 2116.75,-604.32 h70 r90
  text "P0.03 (A2)" at 2216.75,-604.32 h70 r90
  text "P0.04 (A3)" at 2316.75,-604.32 h70 r90
  text "P0.05 (A4)" at 2416.75,-604.32 h70 r90
  text "P0.06 (A5)" at 2516.75,-604.32 h70 r90
  text "RESET" at 1316.75,-678.13 h70 r90
  text ")" at 2990,-720 h120 r90
  text "GND" at 1616.75,-734.15 h70 r90
  text "GND" at 1716.75,-734.15 h70 r90
  text "N.C." at 1816.75,-734.15 h70 r90
  text "VDD" at 1116.75,-739.28 h70 r90
  text "VDD" at 1216.75,-739.28 h70 r90
  text "VDD" at 1416.75,-739.28 h70 r90
  text "nRF" at 3595,-740 h80 r90
  text "*" at 2970,-777 h100 r90
  text "5V" at 1516.75,-781.49 h70 r90
  text "EXP" at 3340,-800 h60 r90
  text "(" at 2990,-840 h120 r90
  text "I2C" at 3450,-870 h70 r90
  text "DETECT" at 3190,-900 h70 r90
  text ")" at 2990,-1000 h120 r90
Mechanical 1:
  the board outline again, w10
Mechanical 2:
  circle w4: c3642,35 r20.51
  circle w4: c3642,35 r66
  circle w4: c3642,35 r72
  circle w4: c3642,35 r61
  lines w4: 3564,19.5 3553.5,19.5 3553.5,26.5 ccw(c3553.5,35) 3553.5,43.5 3553.5,50.5 3564,50.5 ; 3597.5,-51 3597.5,-45.5 cw(c3601.5,-45.5) 3602.87,-41.74 3608.87,-44.24 cw(c3607.5,-48) 3611.5,-48 3611.5,-51 ; 3597.5,121 3597.5,115.5 ccw(c3601.5,115.5) 3602.87,111.74 3608.87,114.24 ccw(c3607.5,118) 3611.5,118 3611.5,121 ; 3628,20 3628,50 ; 3672.5,-51 3672.5,-48 cw(c3676.5,-48) 3675.13,-44.24 3681.13,-41.74 cw(c3682.5,-45.5) 3686.5,-45.5 3686.5,-51 ; 3672.5,121 3672.5,118 ccw(c3676.5,118) 3675.13,114.24 3681.13,111.74 ccw(c3682.5,115.5) 3686.5,115.5 3686.5,121 ; 3720,48.5 ccw(c3725,48.5) 3725,43.5 3730.5,43.5 3730.5,26.5 3725,26.5 ccw(c3725,21.5) 3720,21.5 ; 3720,21.5 3720,64.5 cw(c3727,64.5) 3727,71.5 3727,121 3557,121 3557,86.5 cw(c3557,79.5) 3564,79.5 3564,-9.5 cw(c3557,-9.5) 3557,-16.5 3557,-51 3727,-51 3727,-1.5 cw(c3727,5.5) 3720,5.5 3720,21.5

## Text inside footprints (layer, text, board x,y; h text height)
LD5: Top Overlay "+" at 861.61,-402.38 h30 r180; Top Overlay "-" at 861.61,-278.36 h30 r180
P18: Top Overlay "1" at 2504,-291.83 h27
P19: Top Overlay "1" at 328.2,794.7 h40 r90